# Altium PCB e-puck3-coreboard.PcbDoc (part 1 of 7)
Units mm, origin at the board's own origin, x right, y up, seen from the top; angles counter-clockwise.
Board outline 42.5 x 39.5 mm, 10 copper layers (Top Layer, Top GND Plane, Top Mid Layer 1, Top Mid Layer 2, Mid GND Plane, Bot Mid Layer 3, Bot Mid Layer 2, Bot Mid Layer 1, Bot GND Plane, Bottom Layer), stack 1.366 mm thick; 292 components, 337 nets, 1581 pads, 7018 vias.
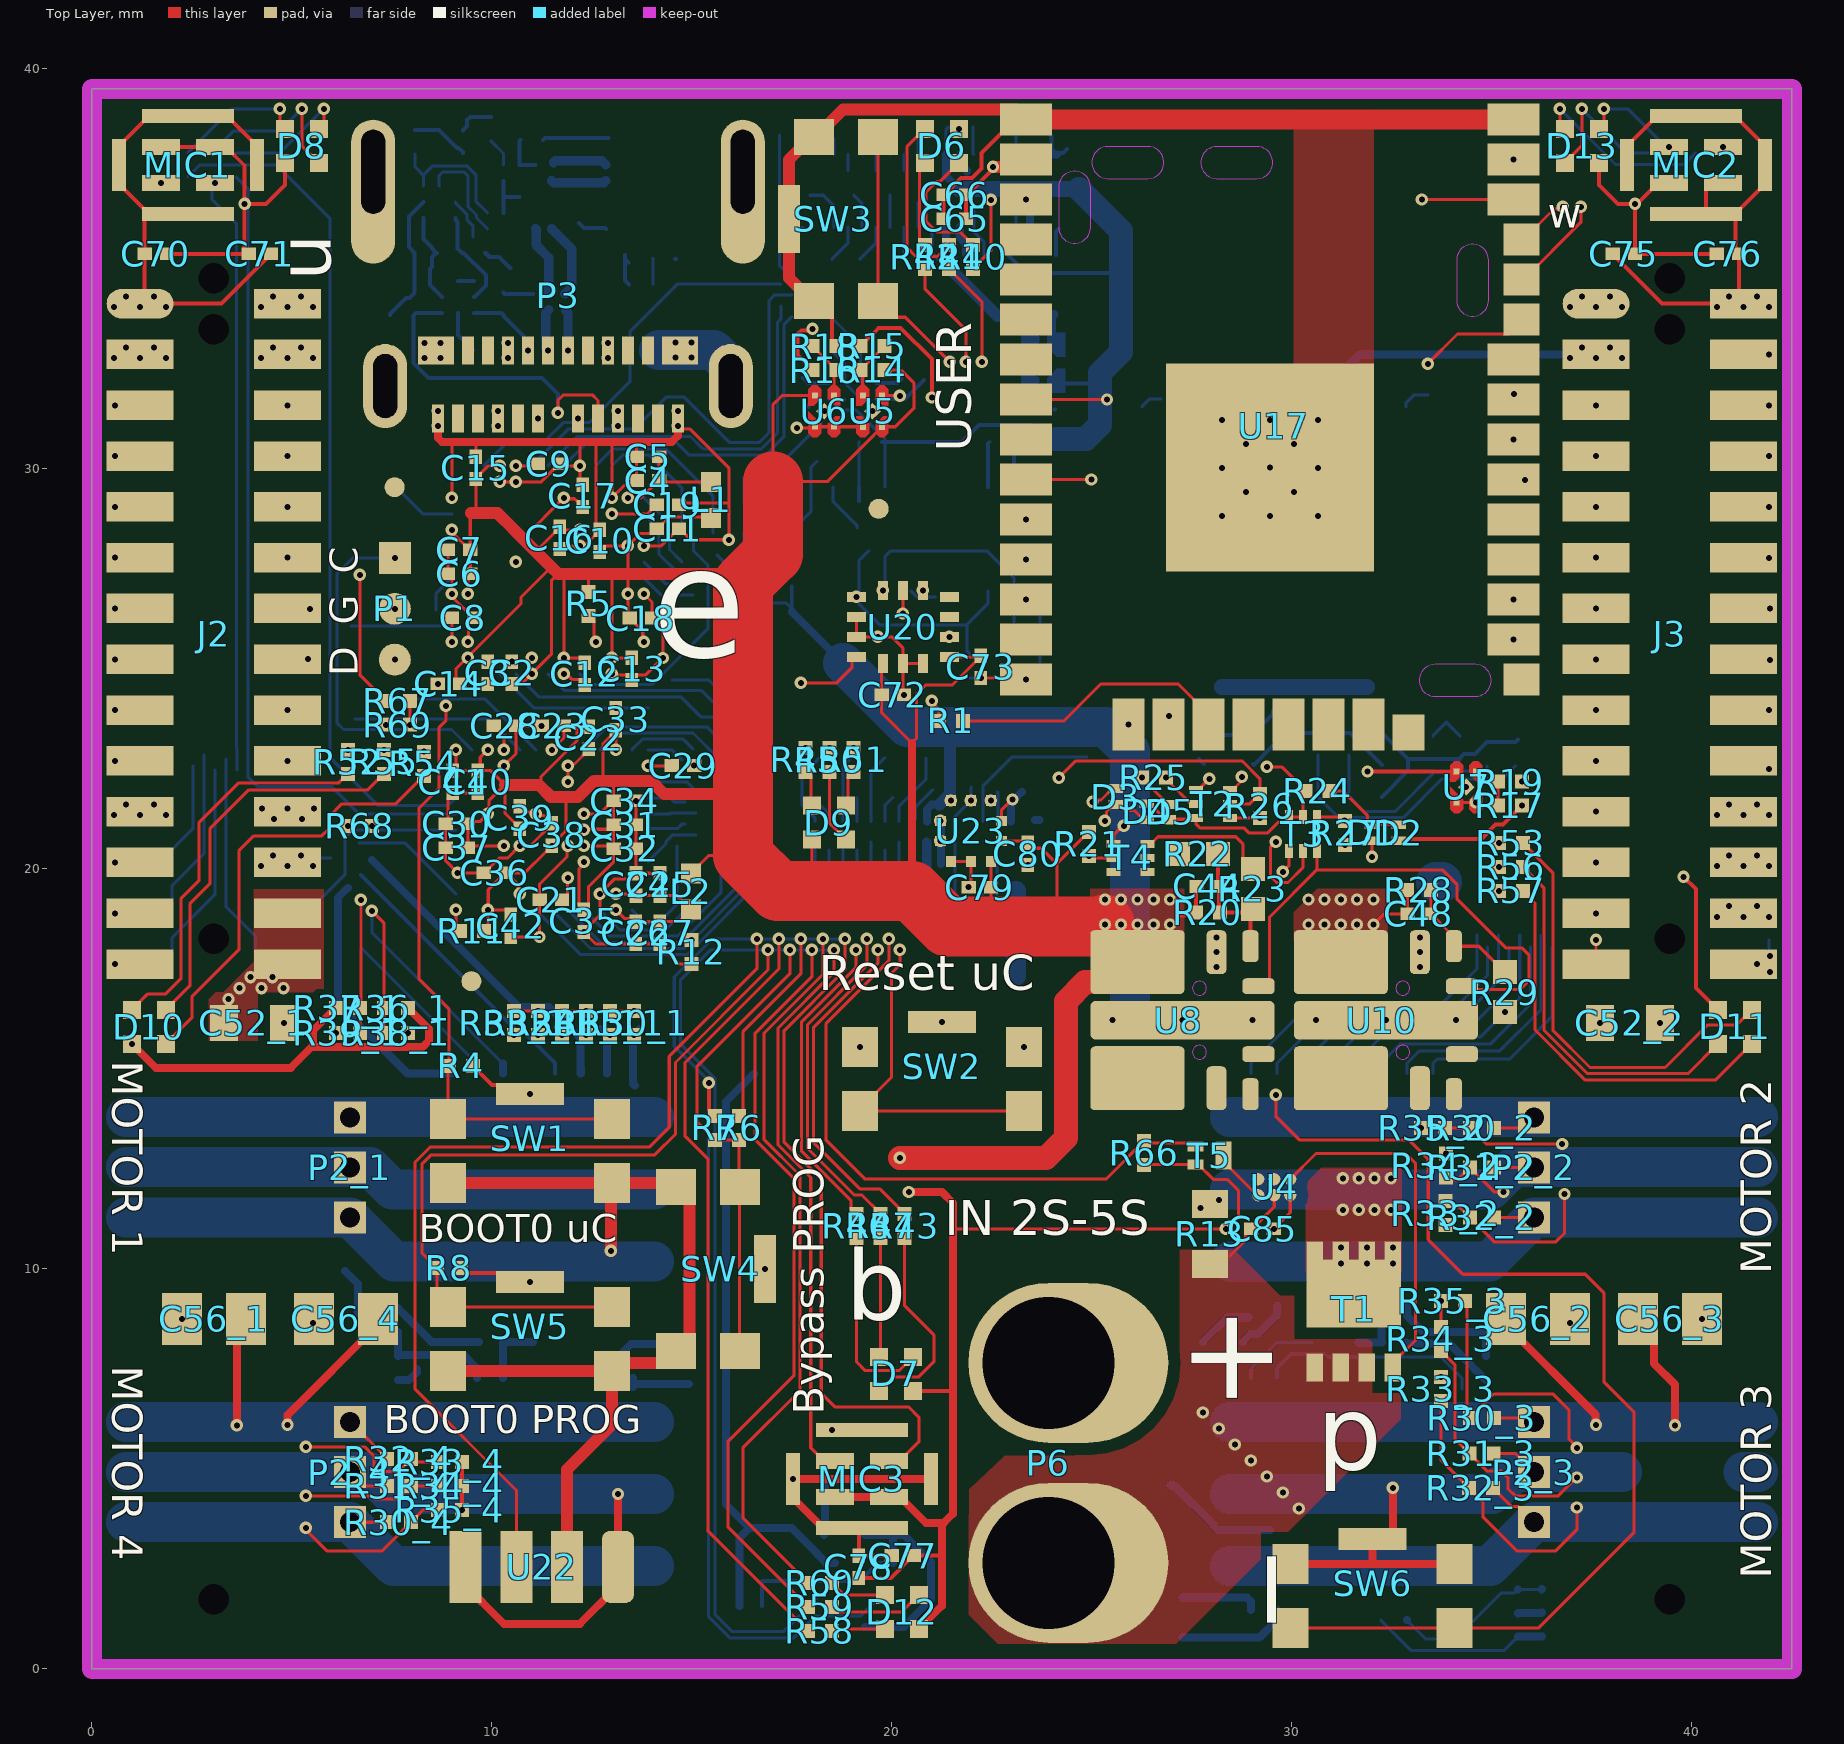
[diagram p0: Top Layer view]
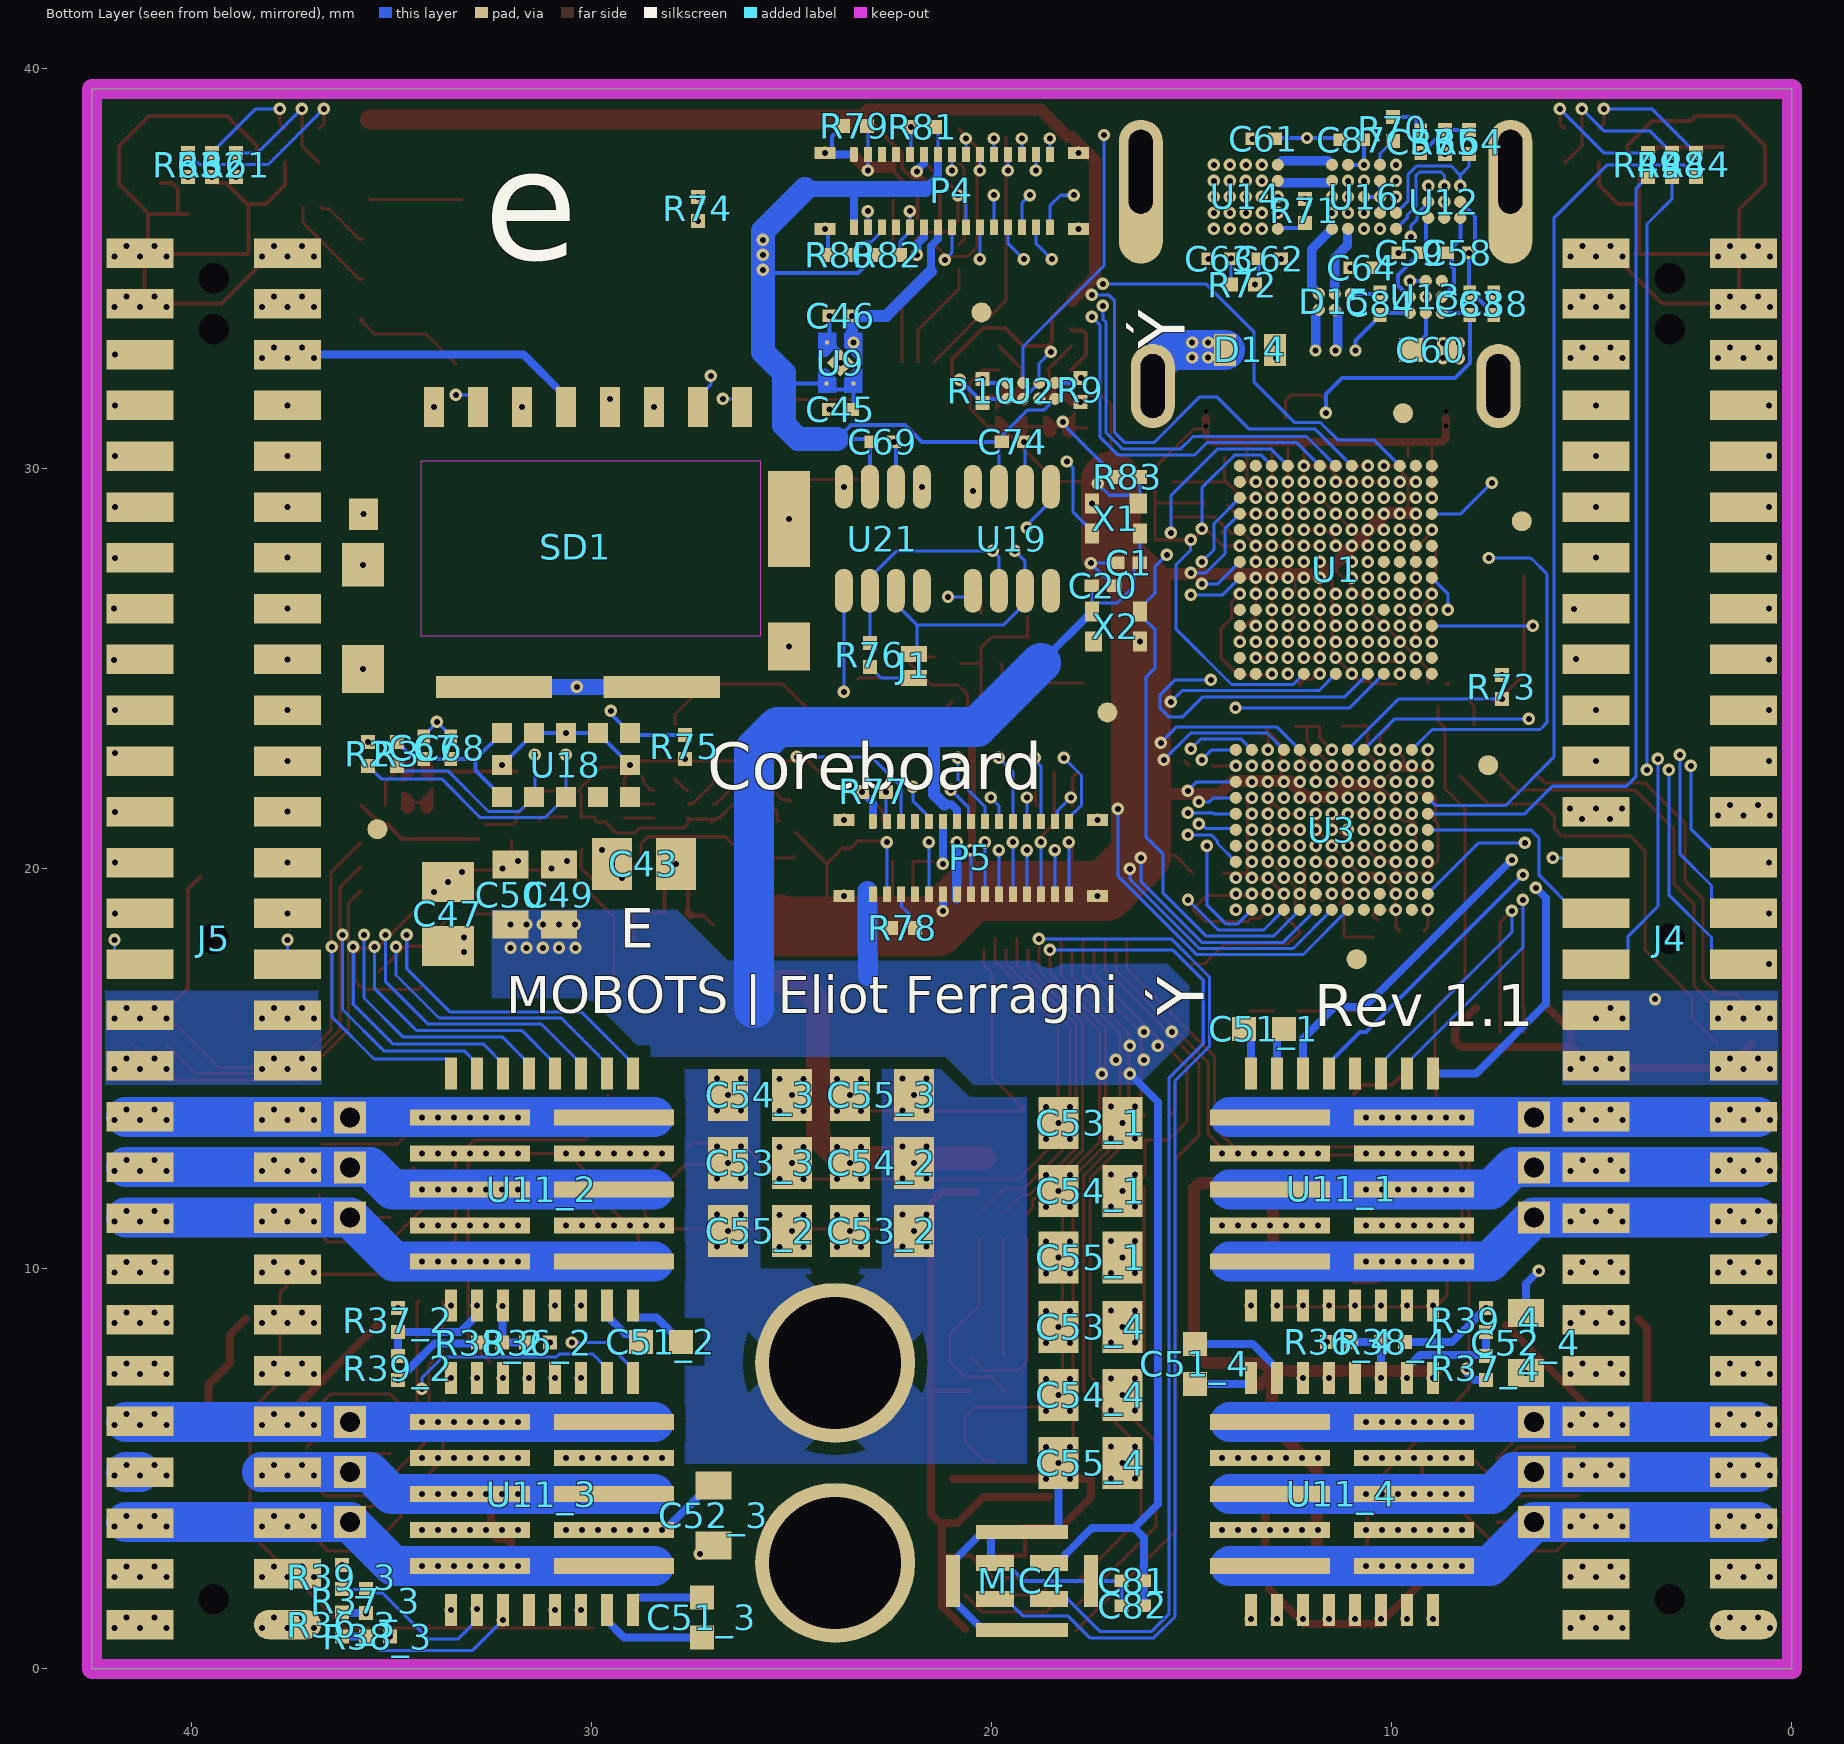
[diagram p1: Bottom Layer view, seen from below]
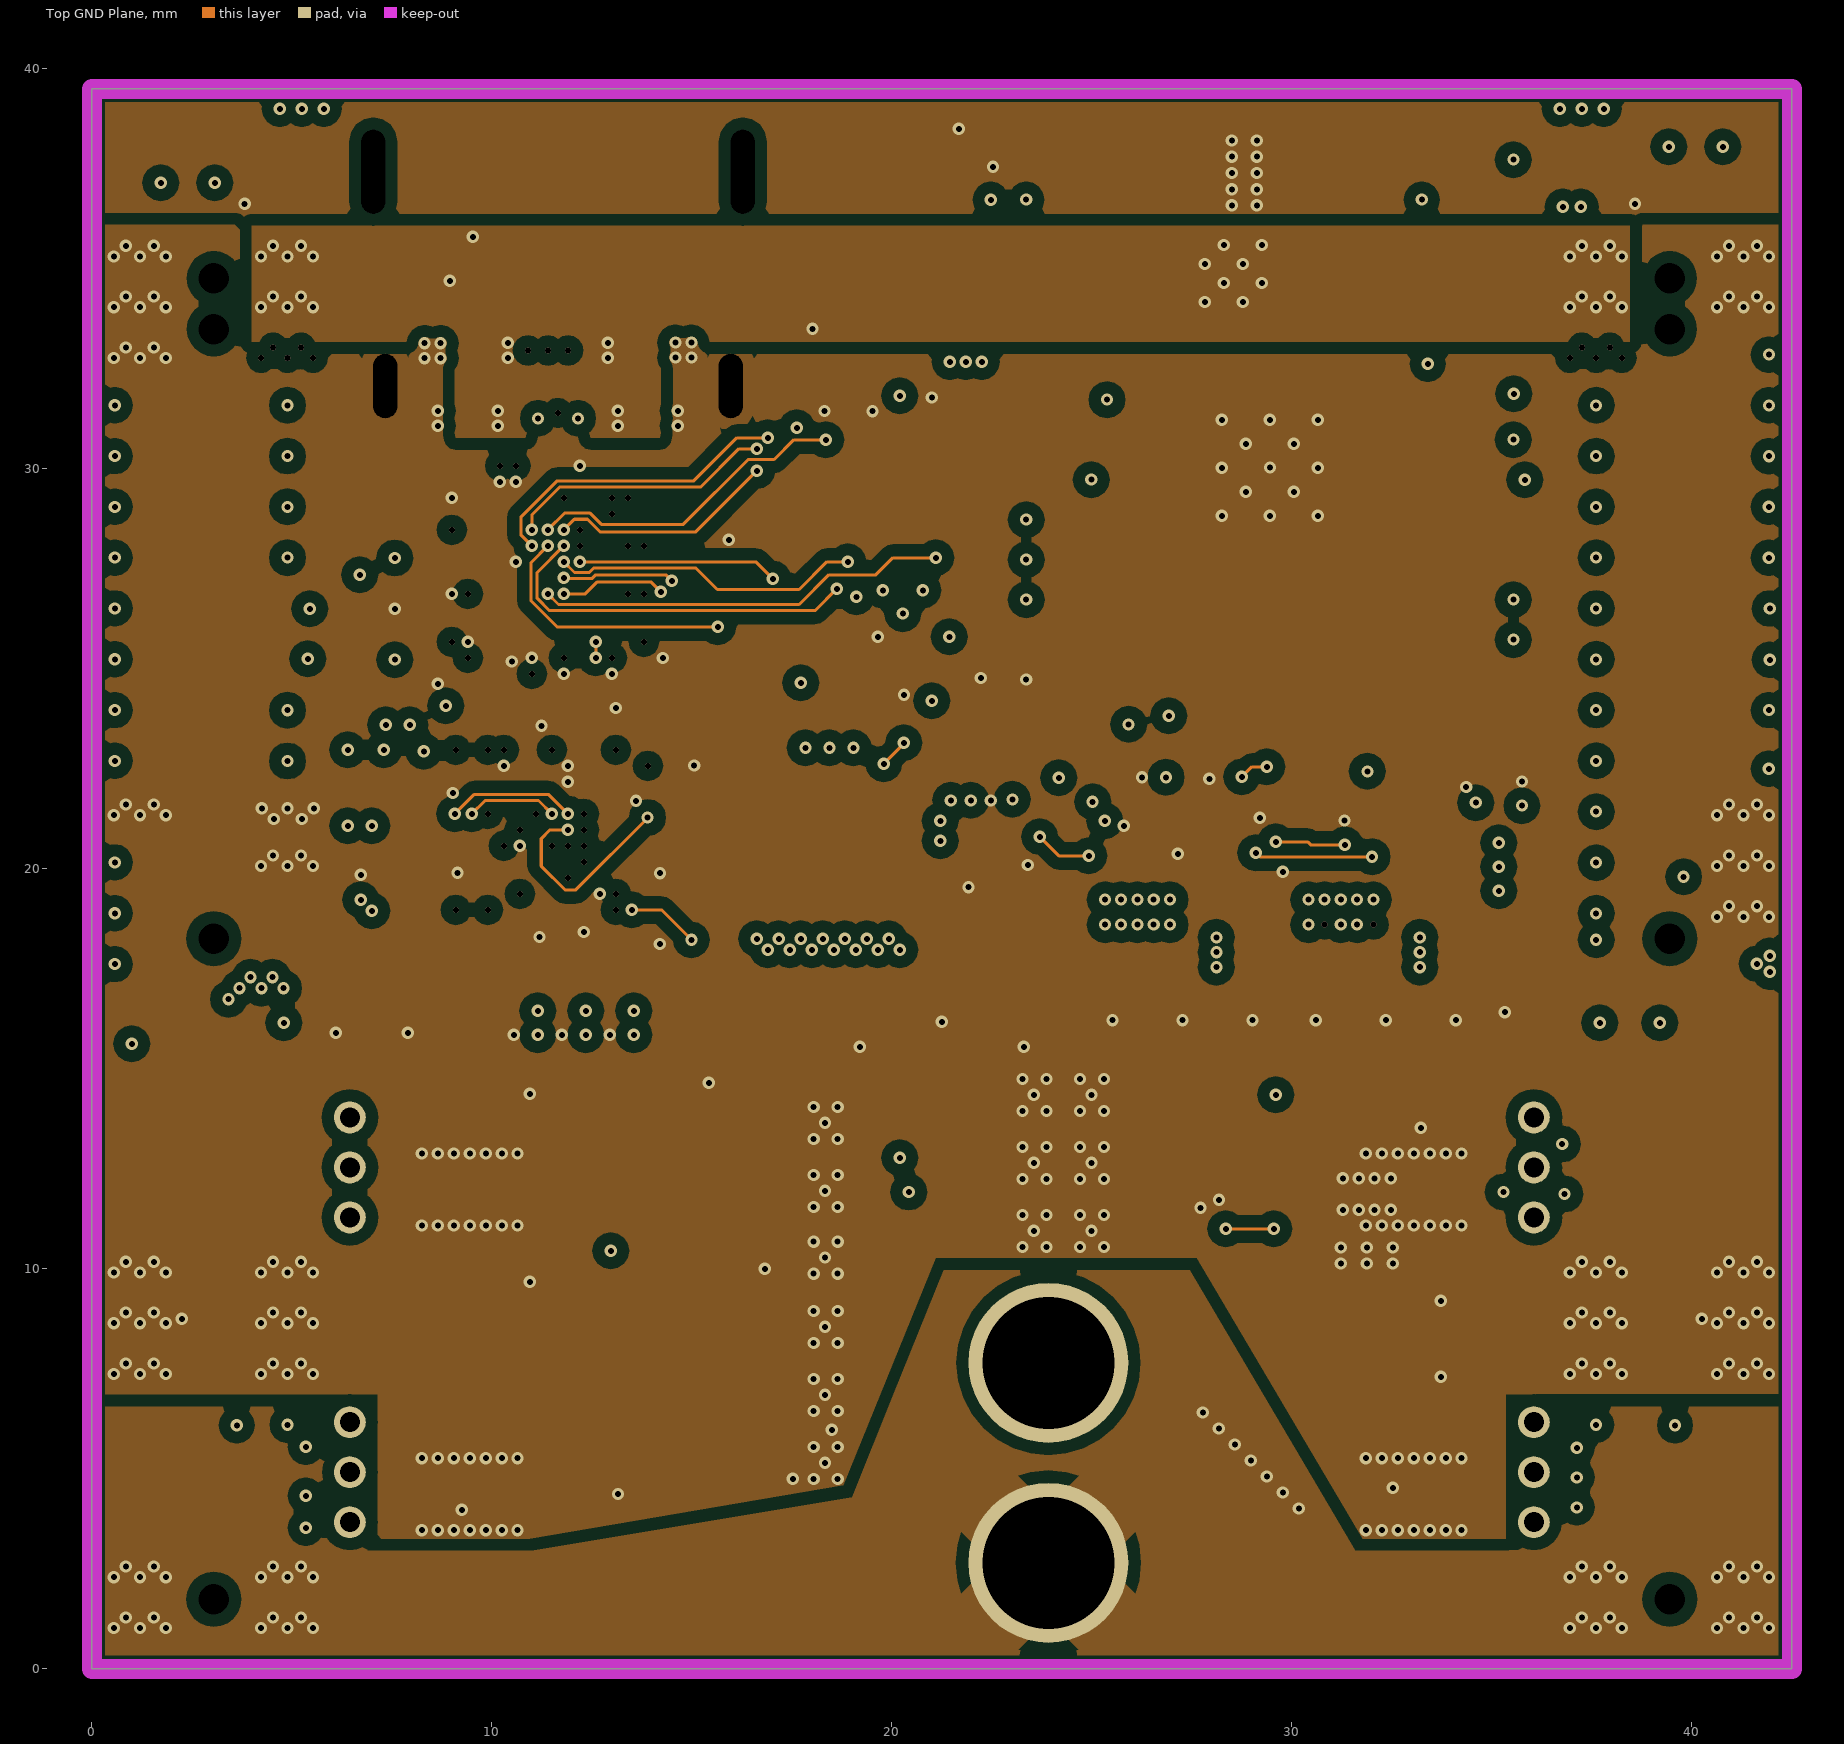
[diagram p2: Top GND Plane]
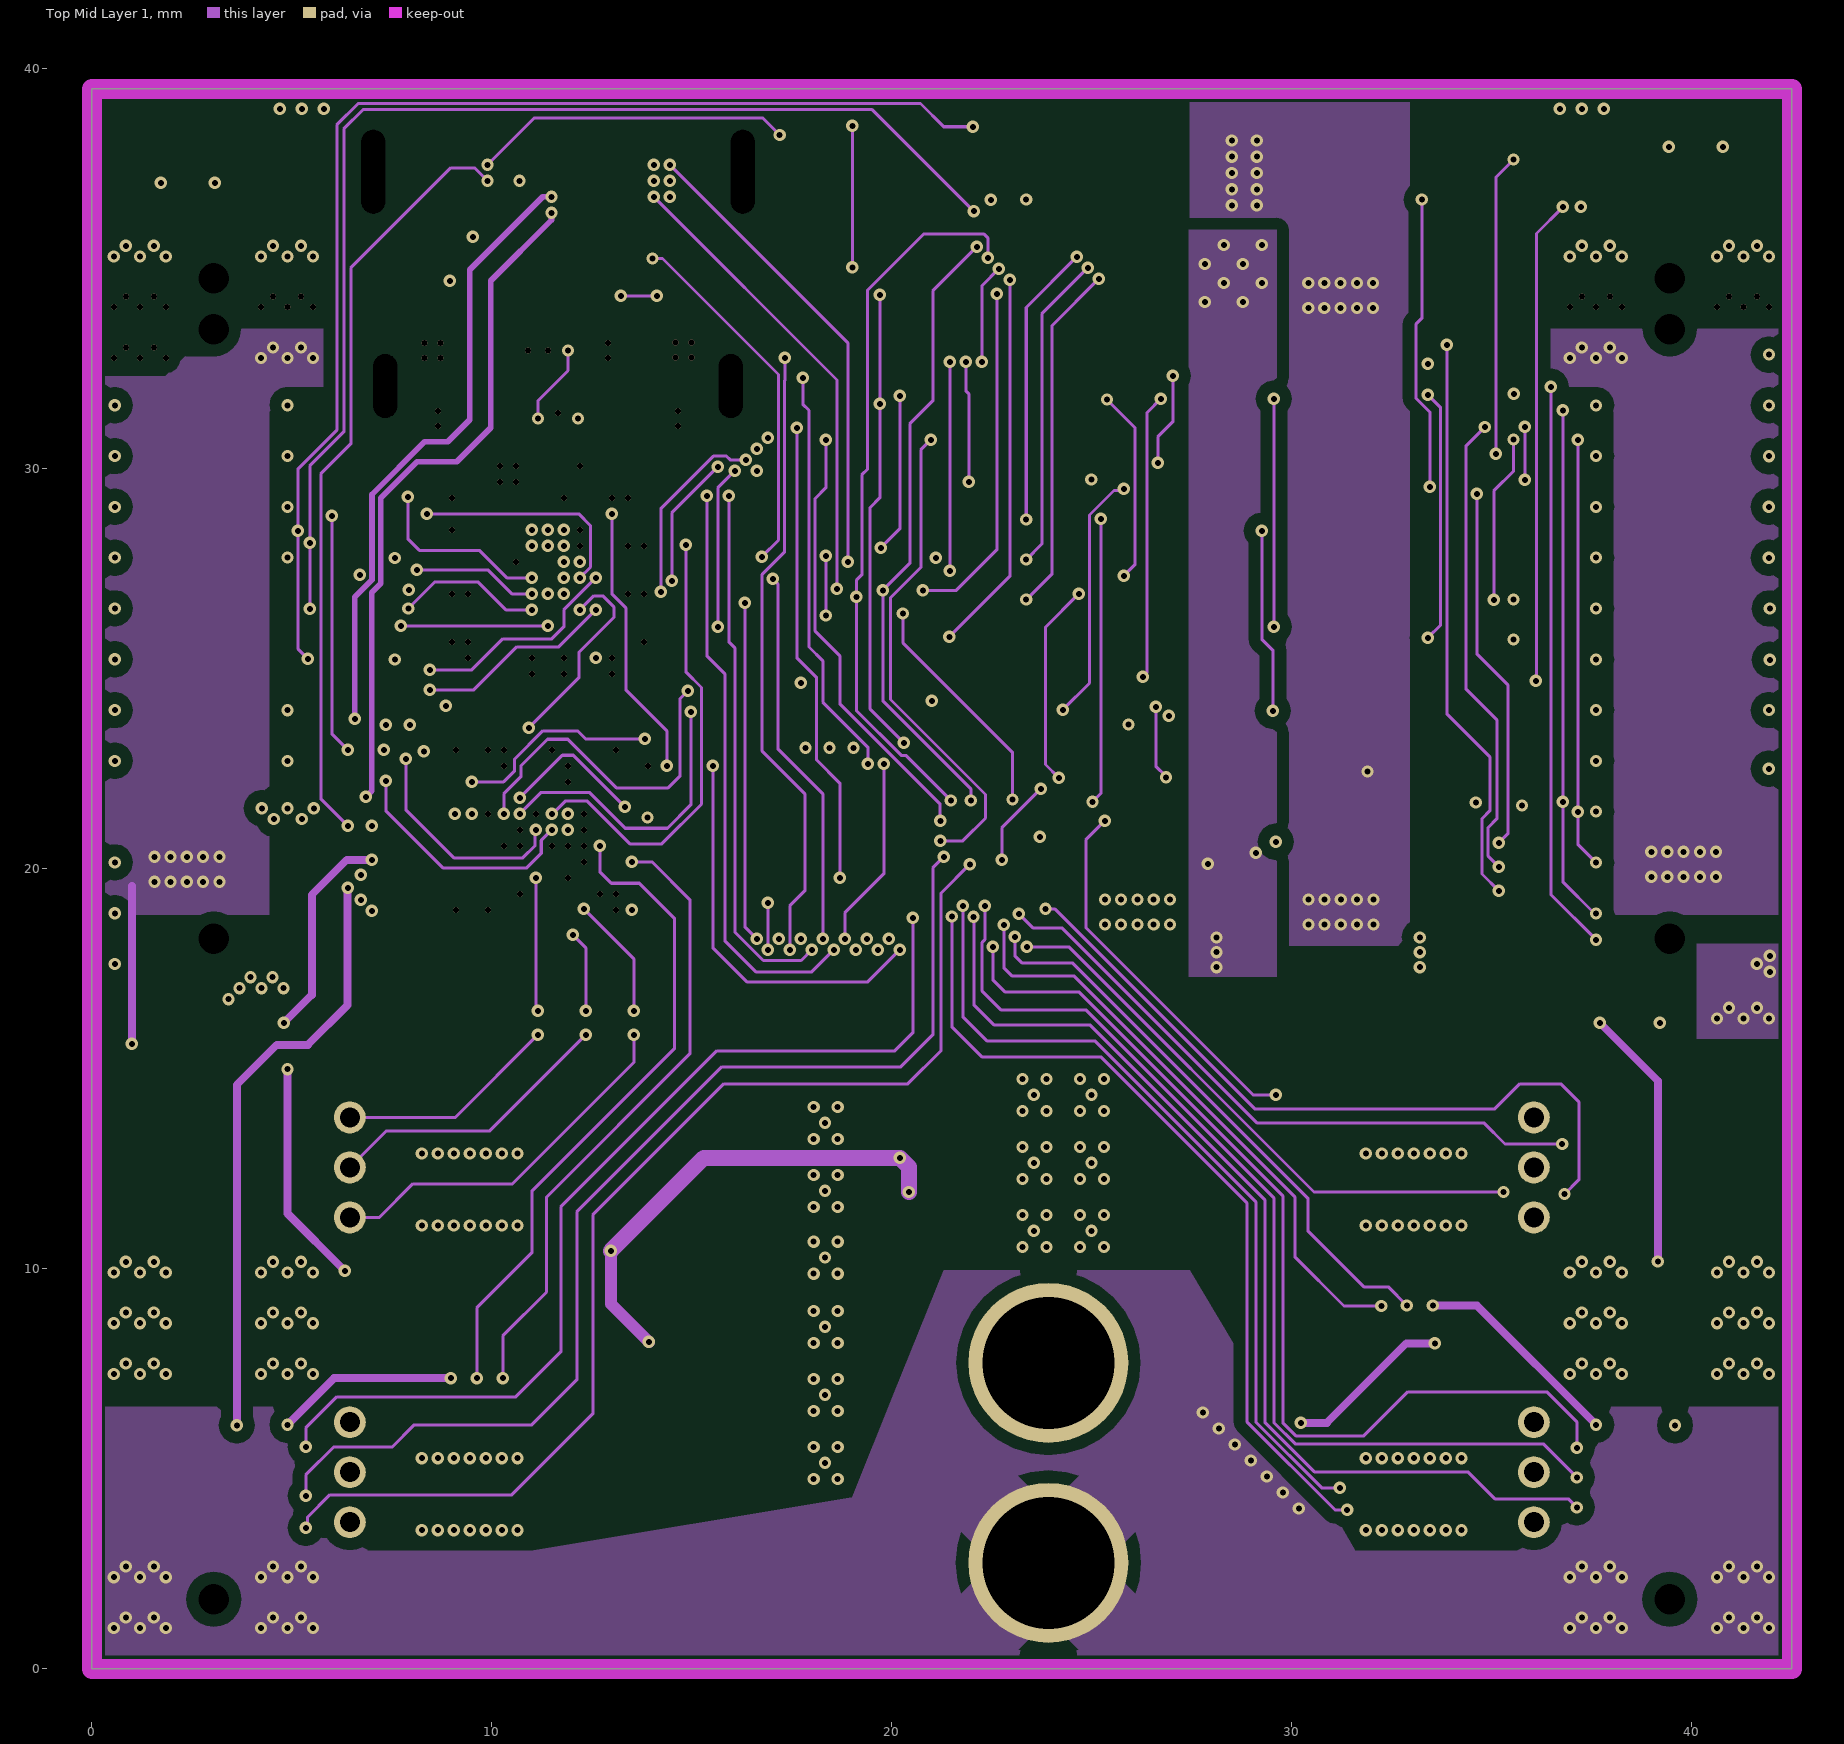
[diagram p3: Top Mid Layer 1]
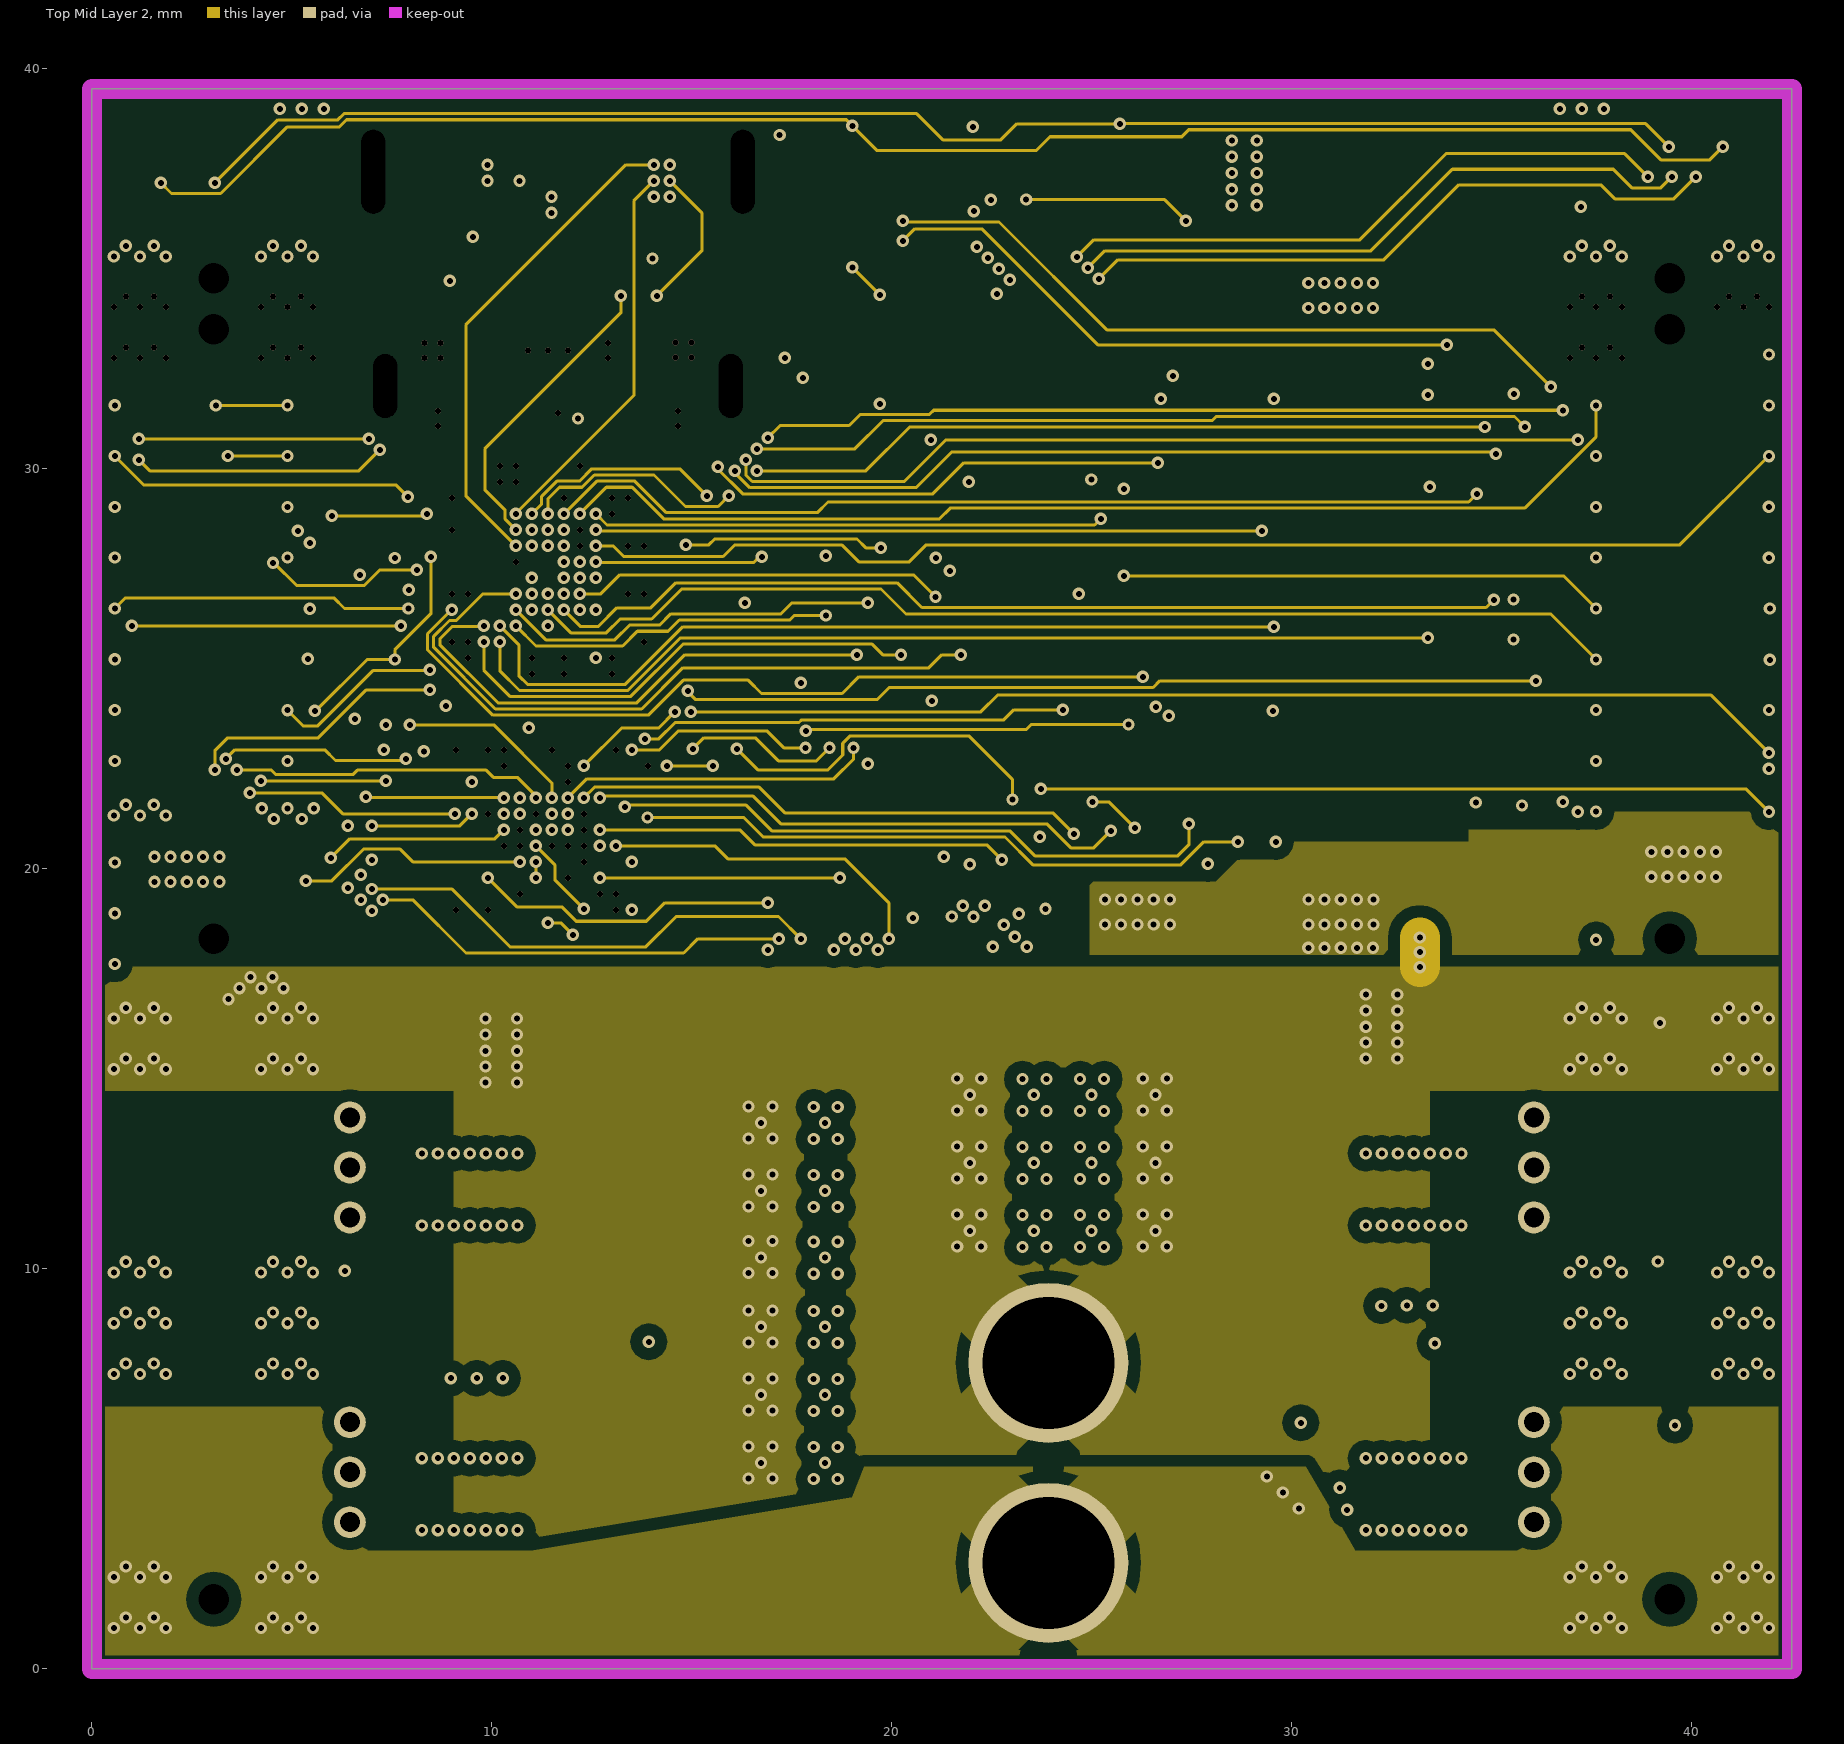
[diagram p4: Top Mid Layer 2]